# Altium PCB tester.PcbDoc (part 1 of 2)
Units mm, origin at the board's own origin, x right, y up, seen from the top; angles counter-clockwise.
Board outline 119.5 x 109.5 mm, 4 copper layers (Top Layer, Int1 (GND), Int2 (PWR), Bottom Layer), stack 1.369 mm thick; 137 components, 118 nets, 490 pads, 208 vias.
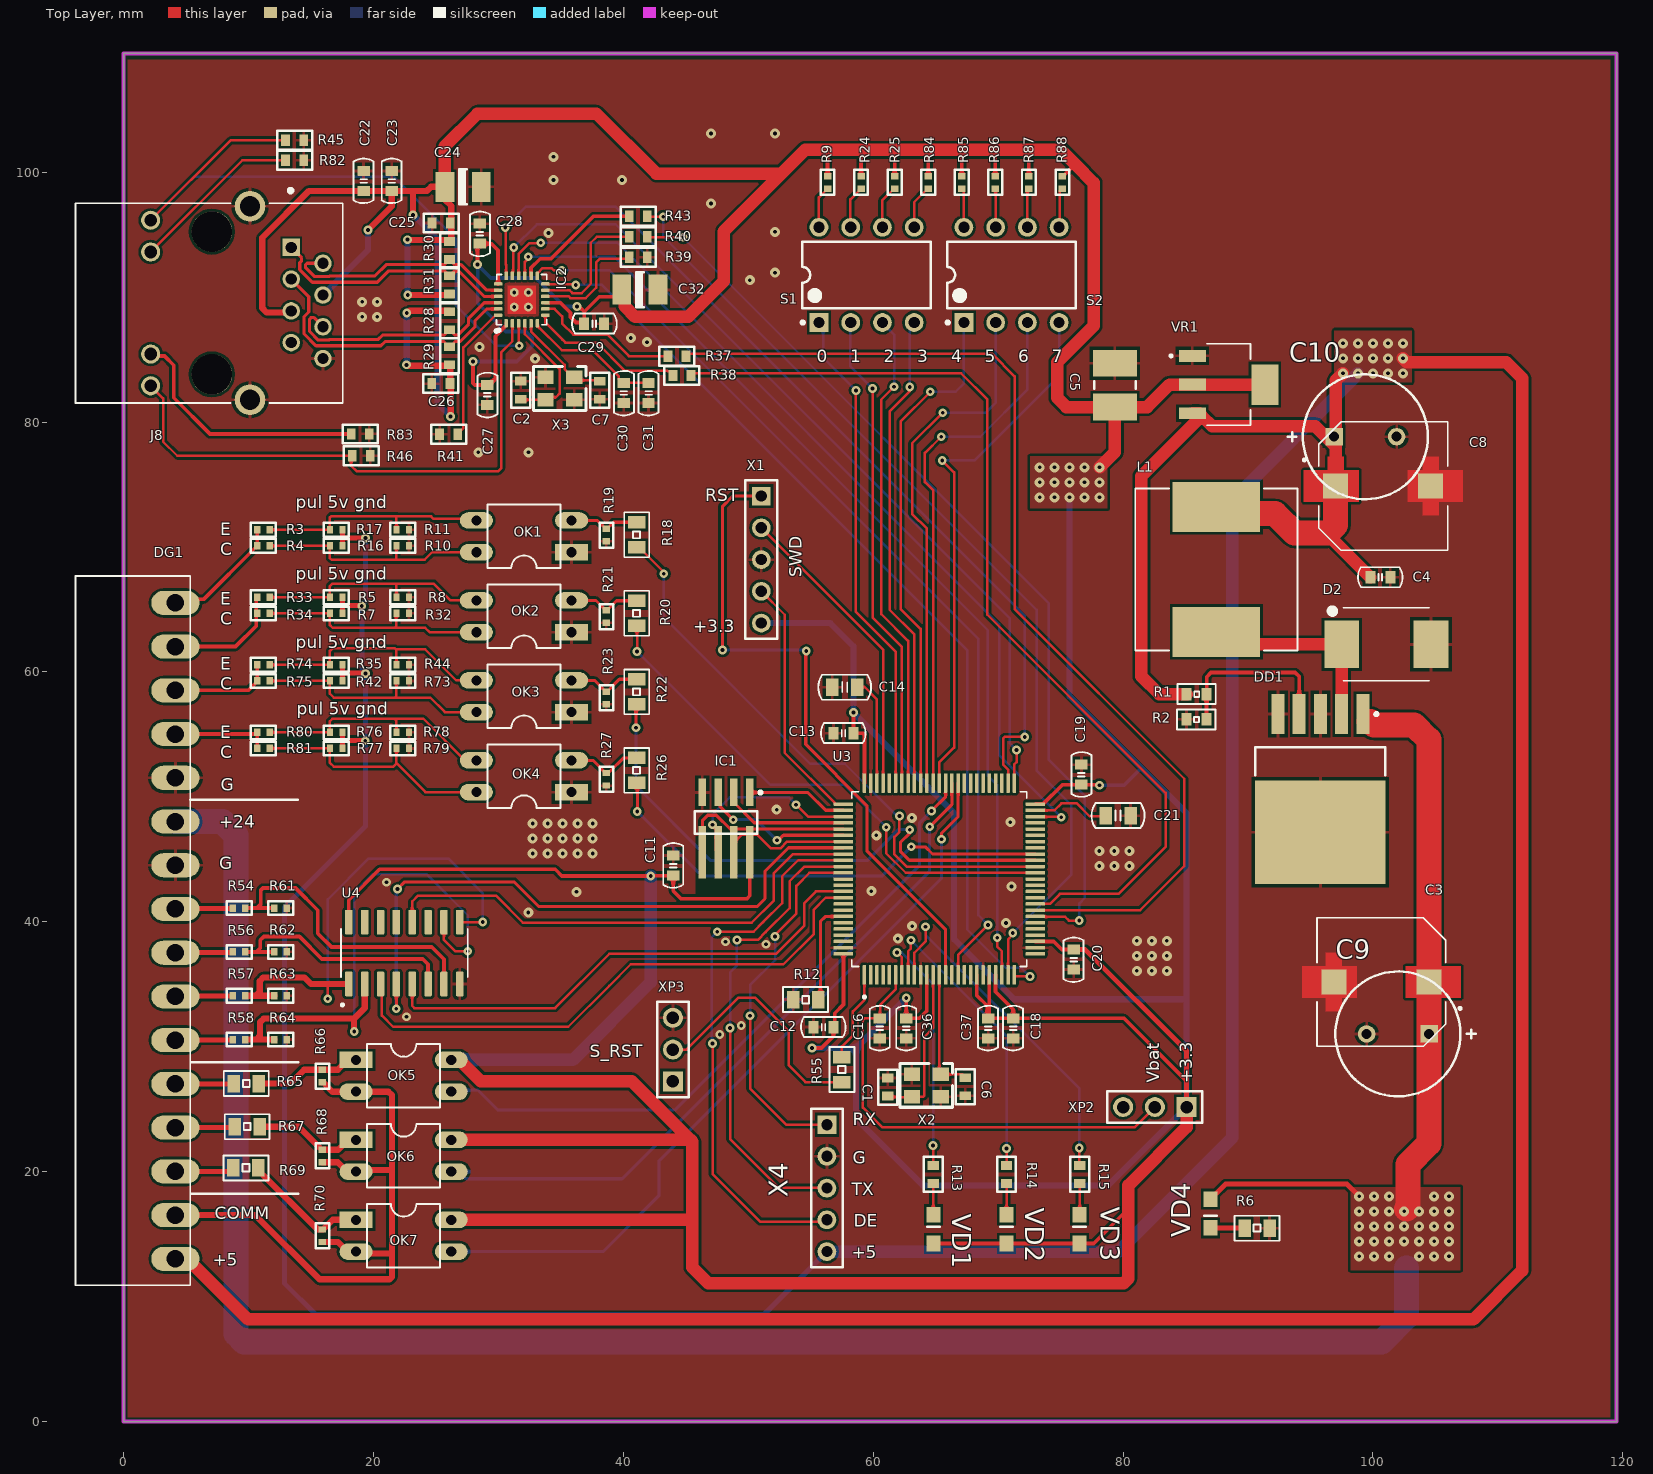
[diagram p0: Top Layer view]
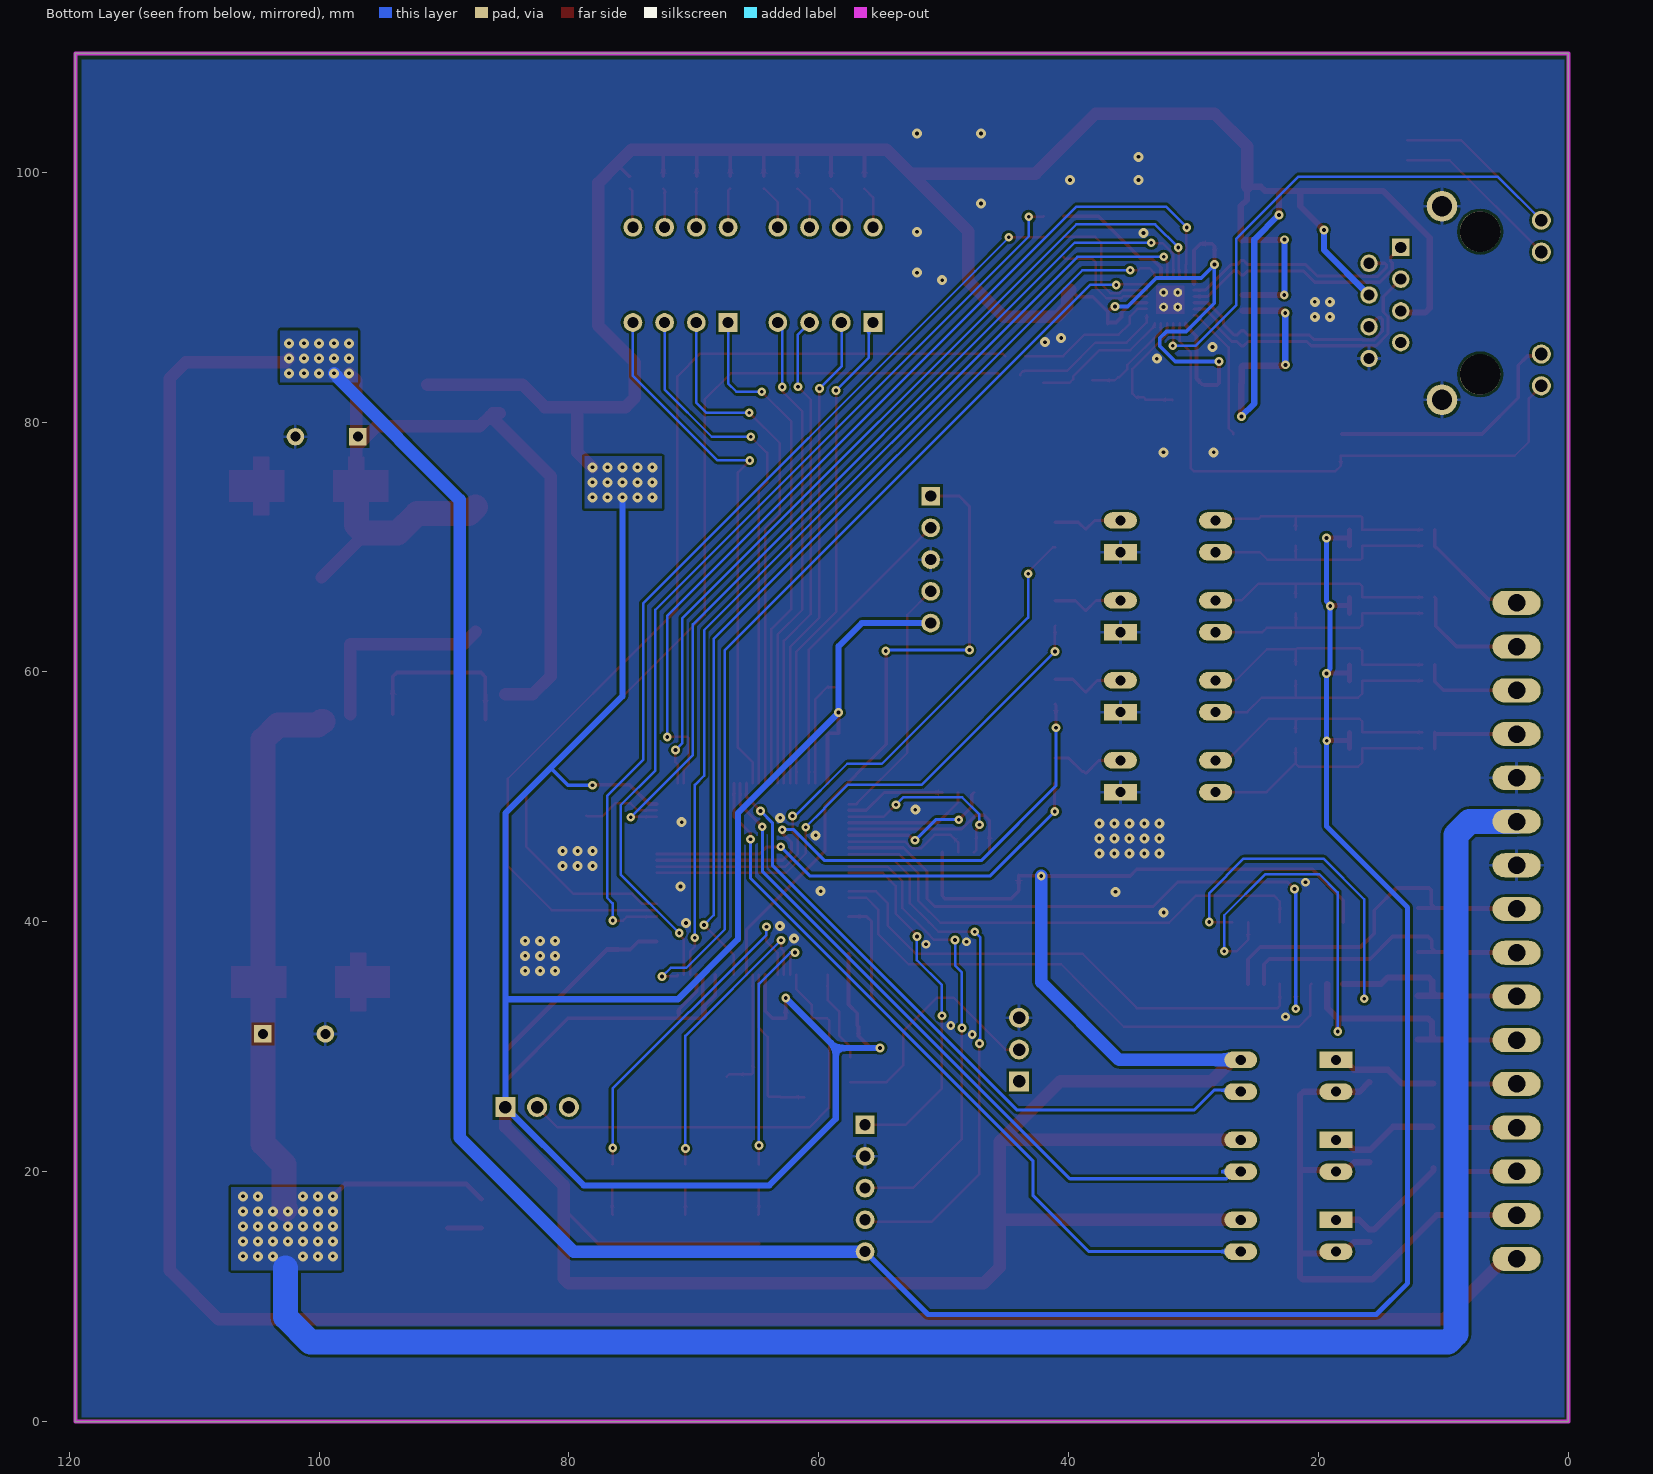
[diagram p1: Bottom Layer view, seen from below]
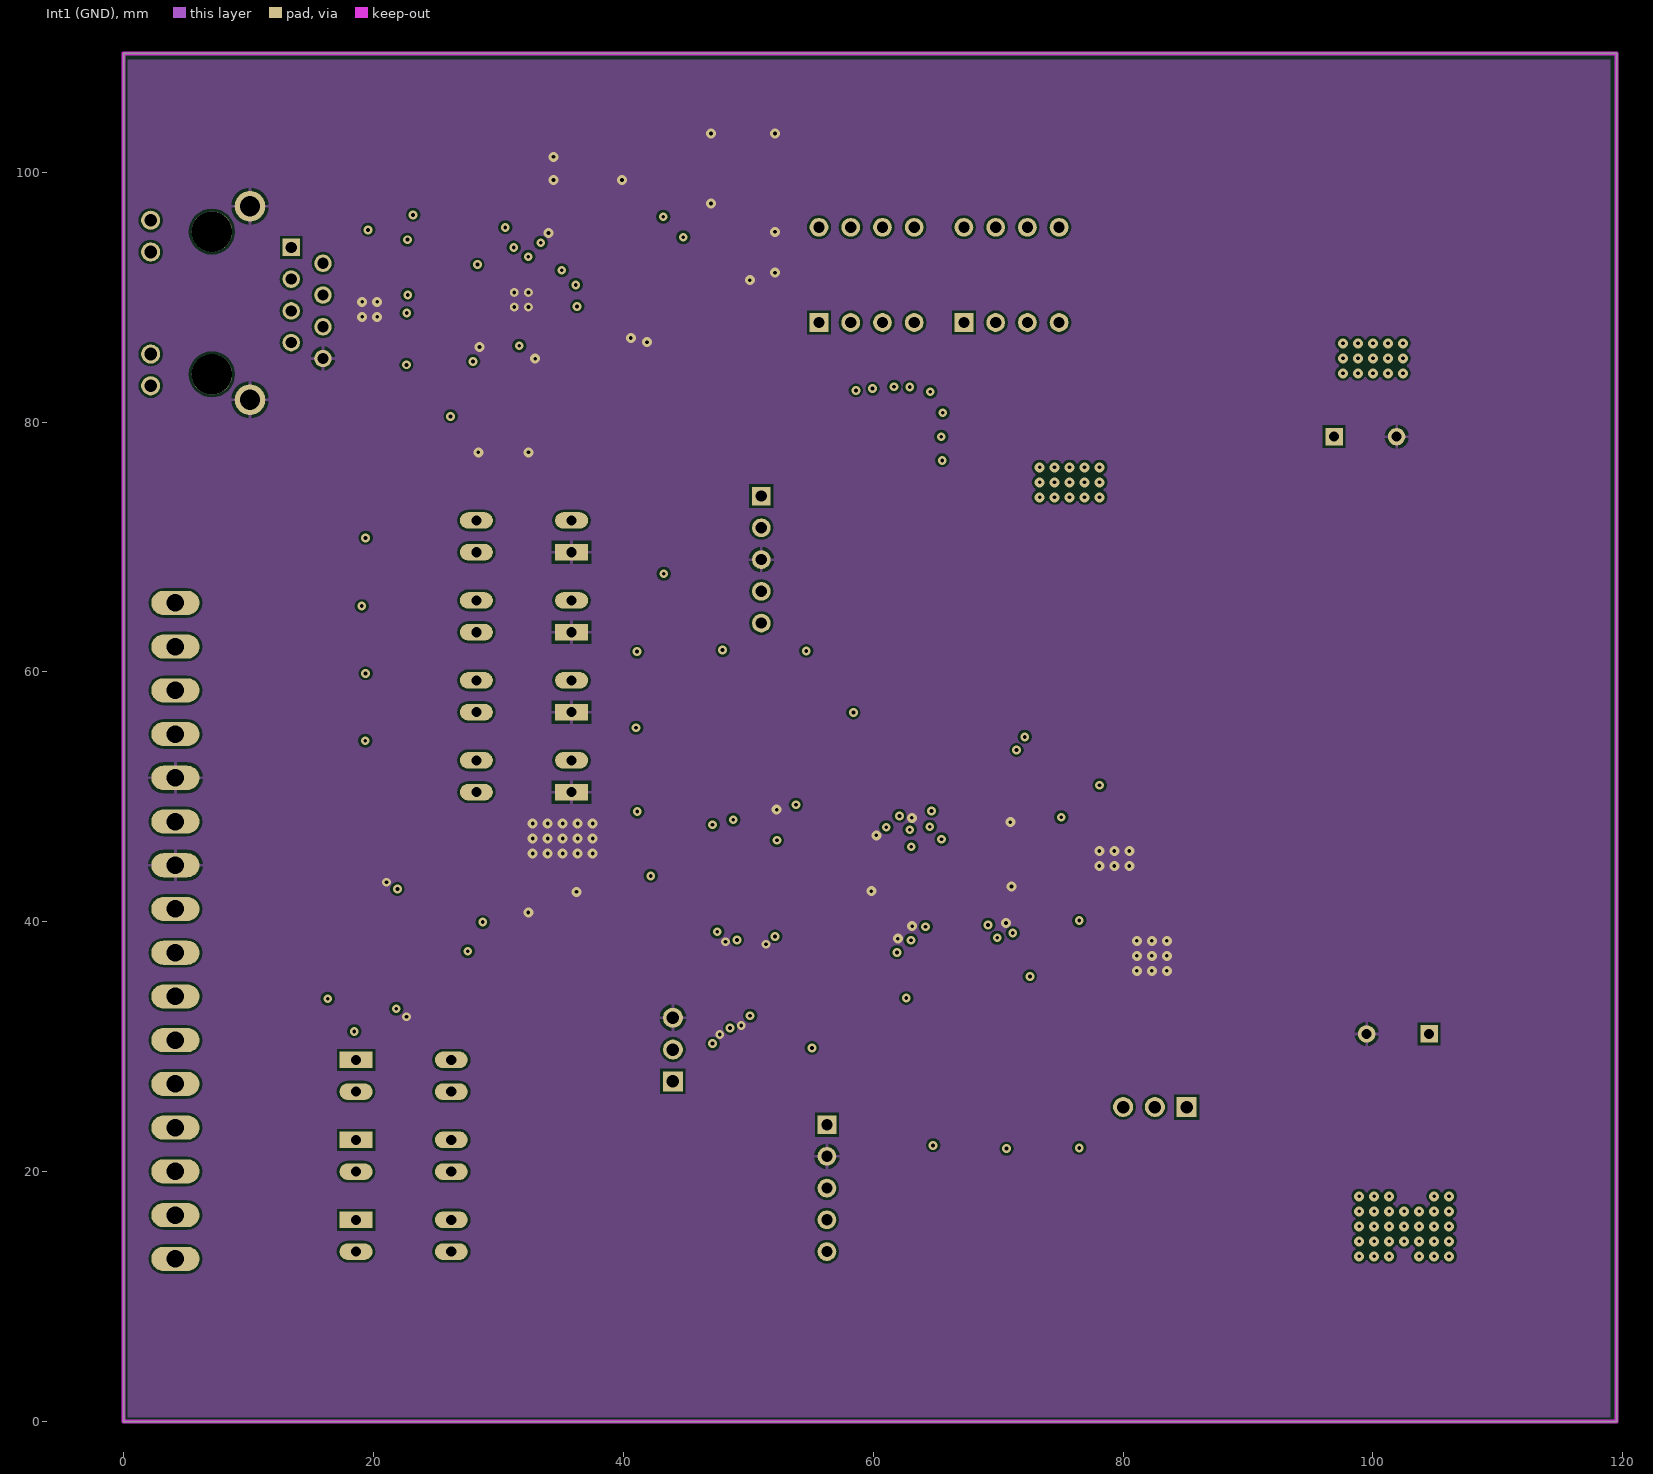
[diagram p2: Int1 (GND)]
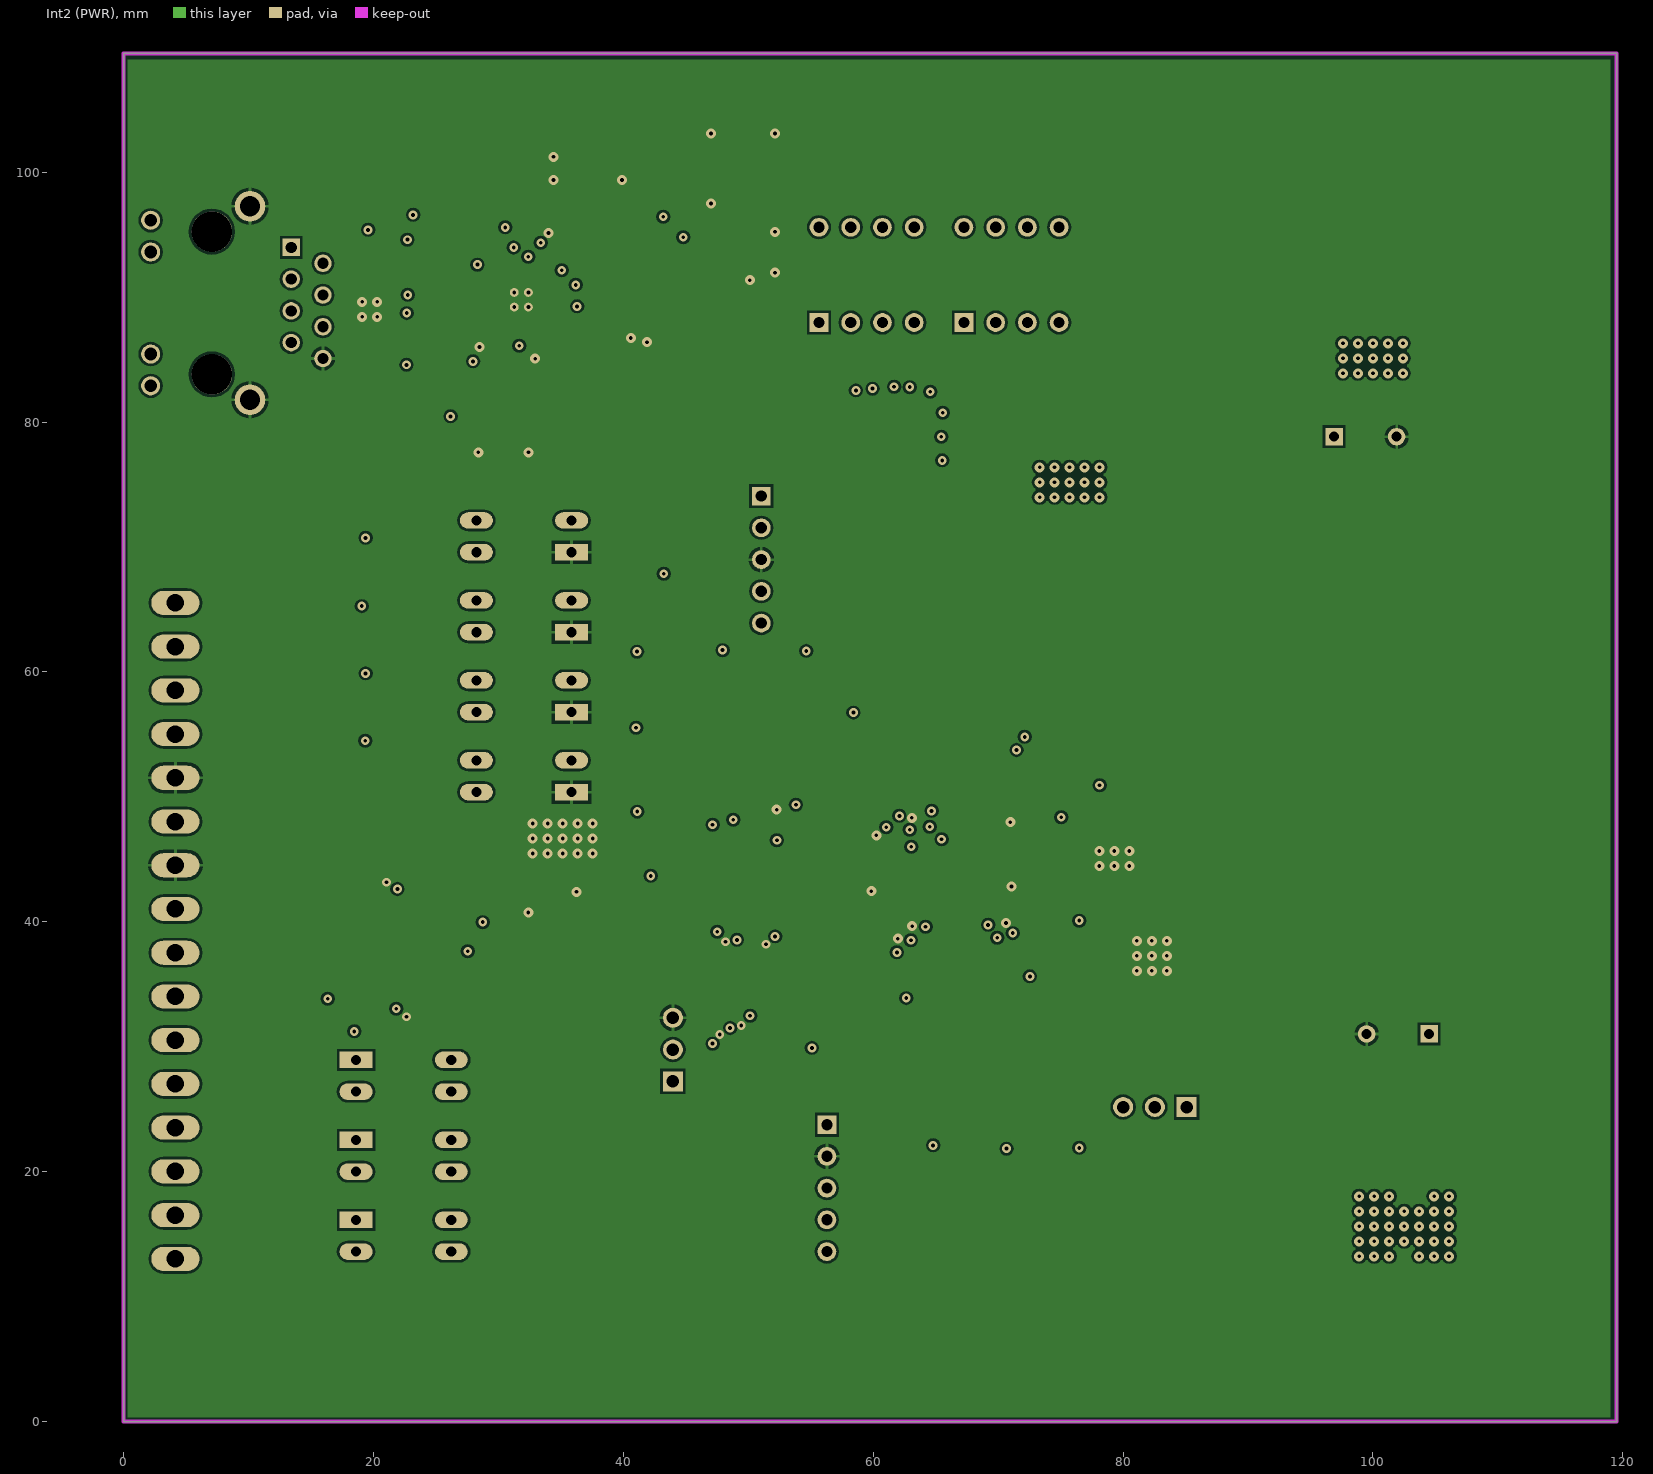
[diagram p3: Int2 (PWR)]

## Layer stack, top to bottom
Top Solder: solder mask 0.0254, SM-001, Dk 4
Top Layer: signal copper 0.035
Dielectric 1: prepreg 0.1295, PP-017, Dk 4.3
Dielectric 2: prepreg 0.1295, PP-017, Dk 4.3
Int1 (GND): signal copper 0.035
Dielectric 3: core 0.7112, Core-039, Dk 4.8
Int2 (PWR): signal copper 0.035
Dielectric 4: prepreg 0.1295, PP-017, Dk 4.3
Dielectric 5: prepreg 0.1295, PP-017, Dk 4.3
Bottom Layer: signal copper 0.035
Bottom Solder: solder mask 0.0254, SM-001, Dk 4

## Board outline
0,0 119.5,0 119.5,109.5 0,109.5

## Design rules (kind name [scope] priority, off if disabled: settings)
Clearance Clearance_1 [InNetClass('ISO') vs InNet('GND')] p1: gap=1 ignorepadtopadclearanceinfootprint=FALSE
Clearance [All] p2: gap=0.2 ignorepadtopadclearanceinfootprint=FALSE
Clearance Clearance_2 [All] p3: gap=0.2 ignorepadtopadclearanceinfootprint=TRUE except(0: Arc-SMDPad Arc-THPad Arc-Via Track-SMDPad Track-THPad Track-Via SMDPad-SMDPad SMDPad-THPad SMDPad-Via Via-Hole)
ComponentClearance [InComponentClass('J*') vs InComponentClass('J*')] p1: gap=0.01 collisioncheckmode=3 verticalgap=0.01 showdistances=FALSE
DiffPairsRouting [All] p1: maxlimit=0.254 minlimit=0.2 mostfreqgap=0.254 toplayer_minwidth=0.25 toplayer_maxwidth=0.381 toplayer_prefwidth=0.381 midlayer1_minwidth=0.25 midlayer1_maxwidth=0.381 midlayer1_prefwidth=0.381 midlayer2_minwidth=0.25 midlayer2_maxwidth=0.381 midlayer2_prefwidth=0.381 bottomlayer_minwidth=0.25 bottomlayer_maxwidth=0.381 bottomlayer_prefwidth=0.381 maxuncoupledlength=12.7
HoleSize [All] p1: absolutevalues=TRUE maxlimit=5 minlimit=0.025 maxpercent=80.000 minpercent=20.000
MinimumSolderMaskSliver [All] p1: minsoldermaskwidth=0
PolygonConnect [All] p1: connectstyle=Relief reliefconductorwidth=0.254 reliefentries=4 polygonreliefangle="90 Angle" airgapwidth=0.254
RoutingVias [All] p1: holewidth=0.3 width=1 viastyle="Through Hole" minholewidth=0.3 minwidth=0 maxholewidth=1 maxwidth=4
SilkToSolderMaskClearance [IsPad] p1: minsilkscreentomaskgap=0.1 clearancetoexposedcopper=TRUE
SolderMaskExpansion [All] p1: expansion=0.102 istentingtop=FALSE
UnRoutedNet [All] p1: checkbadconnections=TRUE
Width [All] p1: maxlimit=4 minlimit=0.15 preferedwidth=0.254
24 further rules are at their usual default settings.

## Classes and differential pairs
differential pair P1_TX: +P1_TX_P -P1_TX_N
differential pair P1_RX: +P1_RX_P -P1_RX_N

## Components (designator, comment, footprint, x,y, rotation, side; value= is the part's Value field where it differs from the comment)
C1 "18 пФ" CAPCHIP0603 61.175,26.775 r270 top
C2 "18 пФ" CAPCHIP0603 31.8,82.55 r270 top
C3 "EEEFK1V471SV" CAP_EEEFK1V471SV 100.675,35.175 r180 top value="470uF 35V"
C4 "0.1uF" "CAPACITOR 0603" 101.4,67.575 r180 top
C5 "Cap C" CAPCHIP1812 79.35,82.95 r270 top value="4.7 uF"
C6 "18 пФ" CAPCHIP0603 67.375,26.8 r90 top
C7 "18 пФ" CAPCHIP0603 38.125,82.541 r90 top
C8 "EEEFK1V471SV" CAP_EEEFK1V471SV 100.825,74.875 r0 top value="470uF 35V"
C9 "NC" "ECR 10x13mm" 102,31.025 r180 top
C10 "NC" "ECR 10x13mm" 99.4,78.825 r0 top
C11 "0.1uF" "CAPACITOR 0603" 44,43.7 r90 top
C12 "0.1uF" "CAPACITOR 0603" 56.825,31.575 r180 top
C13 "0.1uF" "CAPACITOR 0603" 58.425,55.1 r180 top
C14 "2.2uF" "CAPACITOR 0805" 58.725,58.775 r180 top
C16 "0.1uF" "CAPACITOR 0603" 60.525,30.675 r90 top
C18 "0.1uF" "CAPACITOR 0603" 71.205,30.675 r90 top
C19 "0.1uF" "CAPACITOR 0603" 76.675,50.975 r90 top
C20 "0.1uF" "CAPACITOR 0603" 76.05,37.775 r270 top
C21 "2.2uF" "CAPACITOR 0805" 80.6,48.5 r180 top
C22 "0.1uF" "CAPACITOR 0603" 19.215,98.49 r90 top
C23 "0.1uF" "CAPACITOR 0603" 21.465,98.49 r90 top
C24 "Cap T" "TECAP B" 27.175,98.825 r0 top value="10u 16V"
C25 "0.1uF" CAPCHIP0603 25.425,95.925 r180 top
C26 "0.1uF" CAPCHIP0603 25.4,83.075 r180 top
C27 "0.1uF" "CAPACITOR 0603" 29.125,82.975 r270 top
C28 "0.1uF" "CAPACITOR 0603" 28.525,95.875 r270 top
C29 "0.1uF" "CAPACITOR 0603" 36.875,87.875 r0 top
C30 "0.1uF" "CAPACITOR 0603" 40.045,83.125 r270 top
C31 "1uF" "CAPACITOR 0603" 42.02,83.125 r270 top
C32 "10u 16V" "TECAP B" 41.325,90.6 r0 top
C36 "0.1uF" "CAPACITOR 0603" 62.65,30.675 r90 top
C37 "0.1uF" "CAPACITOR 0603" 69.205,30.675 r90 top
D2 "MBRS540T3G" DIOM7958X213N 101.075,62.2 r0 top value=0.1uF
DD1 "LM2596S-ADJ" TO-263 95.8,50.625 r270 top
DG1 "15EDGRC-3.5-16P" 15EDGRC-3.5-16P 4.155,65.525 r0 top
IC1 "GD25Q16CTIGR" NSO8 48.225,47.95 r270 top value=GD25Q16CT
IC2 "LAN8742A-CZ-TR" LAN8742A 33.125,88.55 r90 top
J8 "HR911105A" HANRUN_HR911105A 7.075,89.525 r90 top
L1 "SRR1208-6R5ML" SRR1208 87.475,68.2 r90 top value=6,5uH
OK1 "PC814" DIL04 32.05,70.85 r90 top
OK2 "PC814" DIL04 32.05,64.45 r90 top
OK3 "PC814" DIL04 32.05,58.05 r90 top
OK4 "PC814" DIL04 32.05,51.65 r90 top
OK5 "PC814" DIL04 22.425,27.675 r270 top
OK6 "PC814" DIL04 22.425,21.275 r270 top
OK7 "PC814" DIL04 22.425,14.875 r270 top
R1 "3 k" "Resistor 0603" 86.7,58.225 r180 top
R2 "1 k" "Resistor 0603" 86.675,56.2 r180 top
R3 "0 R" "Resistor 0402" 10.7,71.375 r0 top